# Altium PCB Left_PCB.PcbDoc
Units mm, origin at the board's own origin, x right, y up, seen from the top; angles counter-clockwise.
Board outline 205.61 x 248.6 mm, 2 copper layers (Top Layer, Bottom Layer); 96 components, 99 nets, 365 pads, 2 vias.
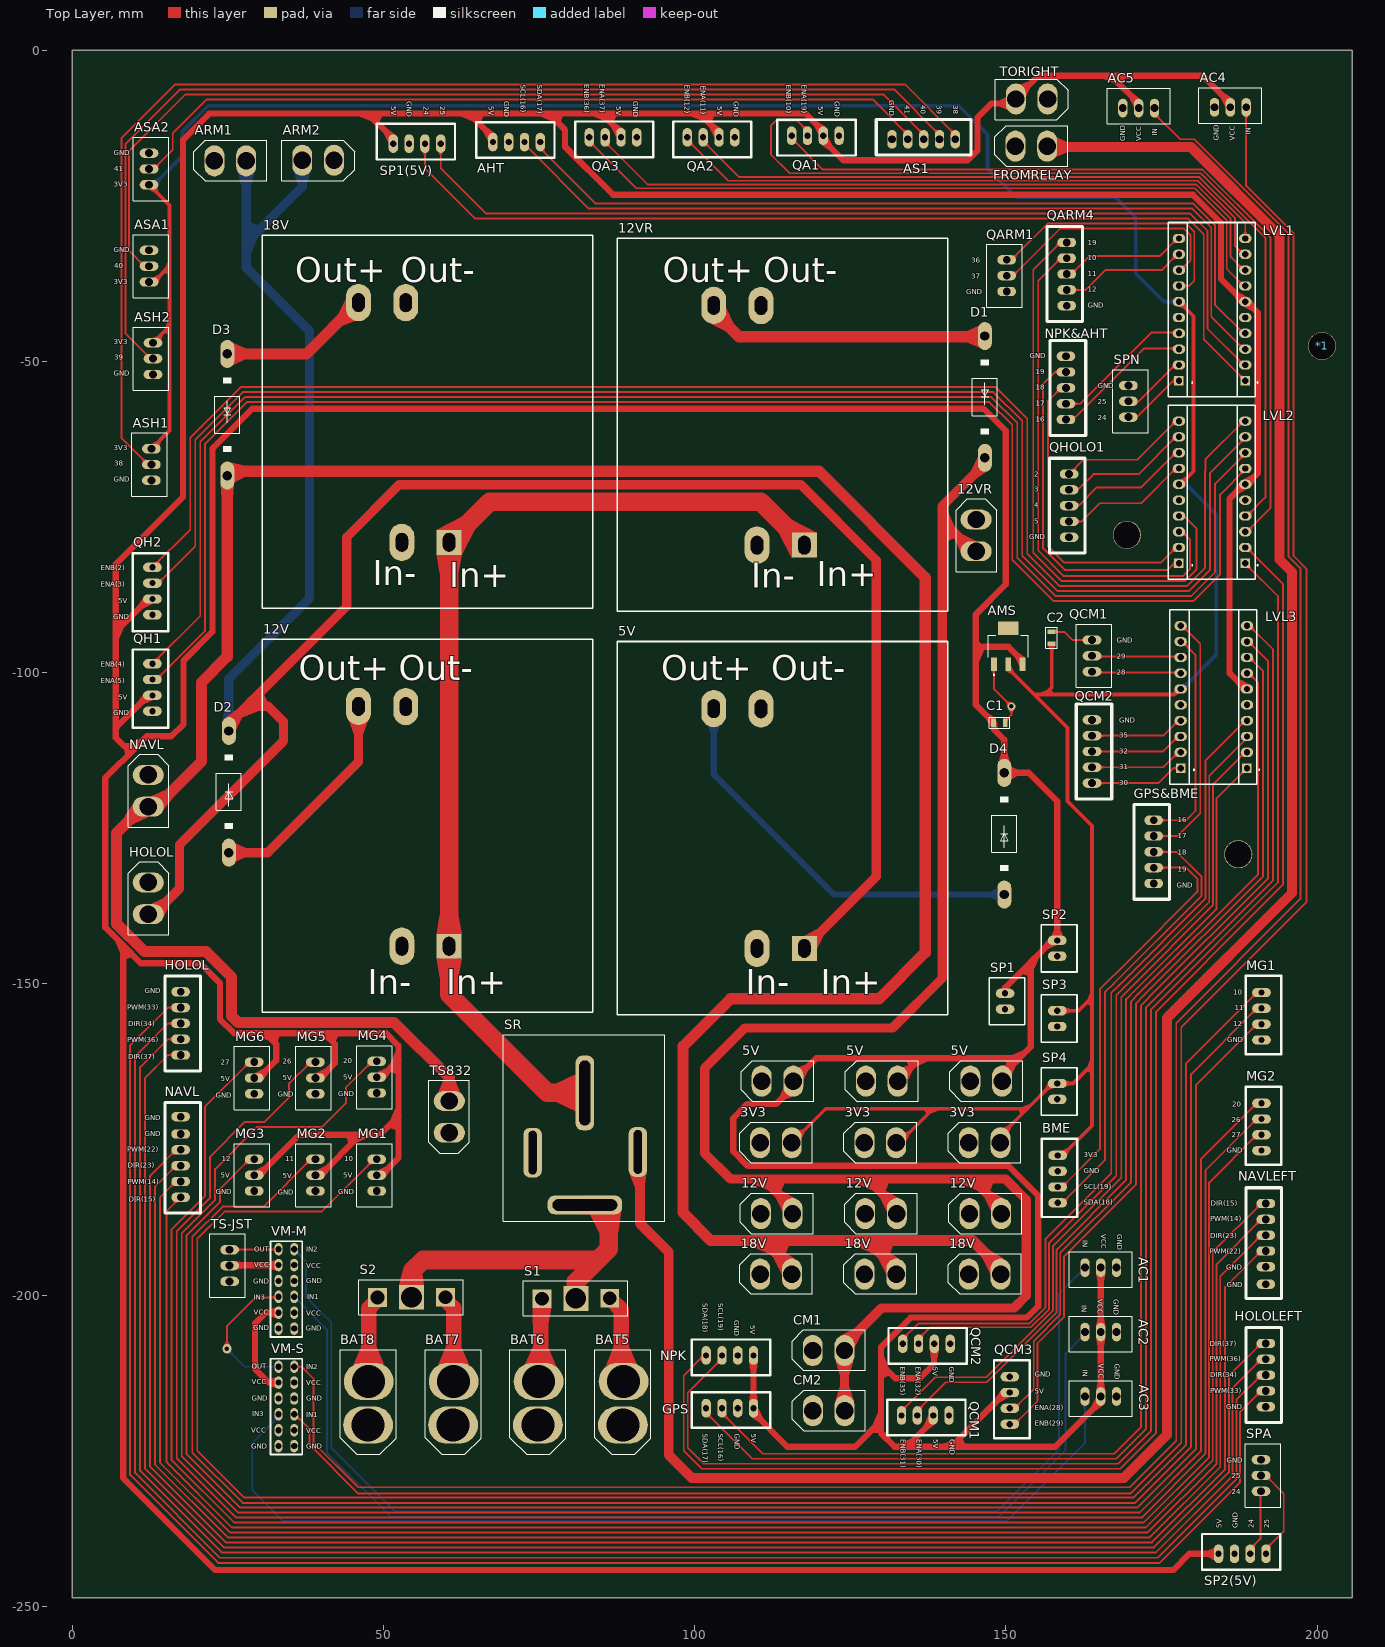
[diagram p0: Top Layer view]
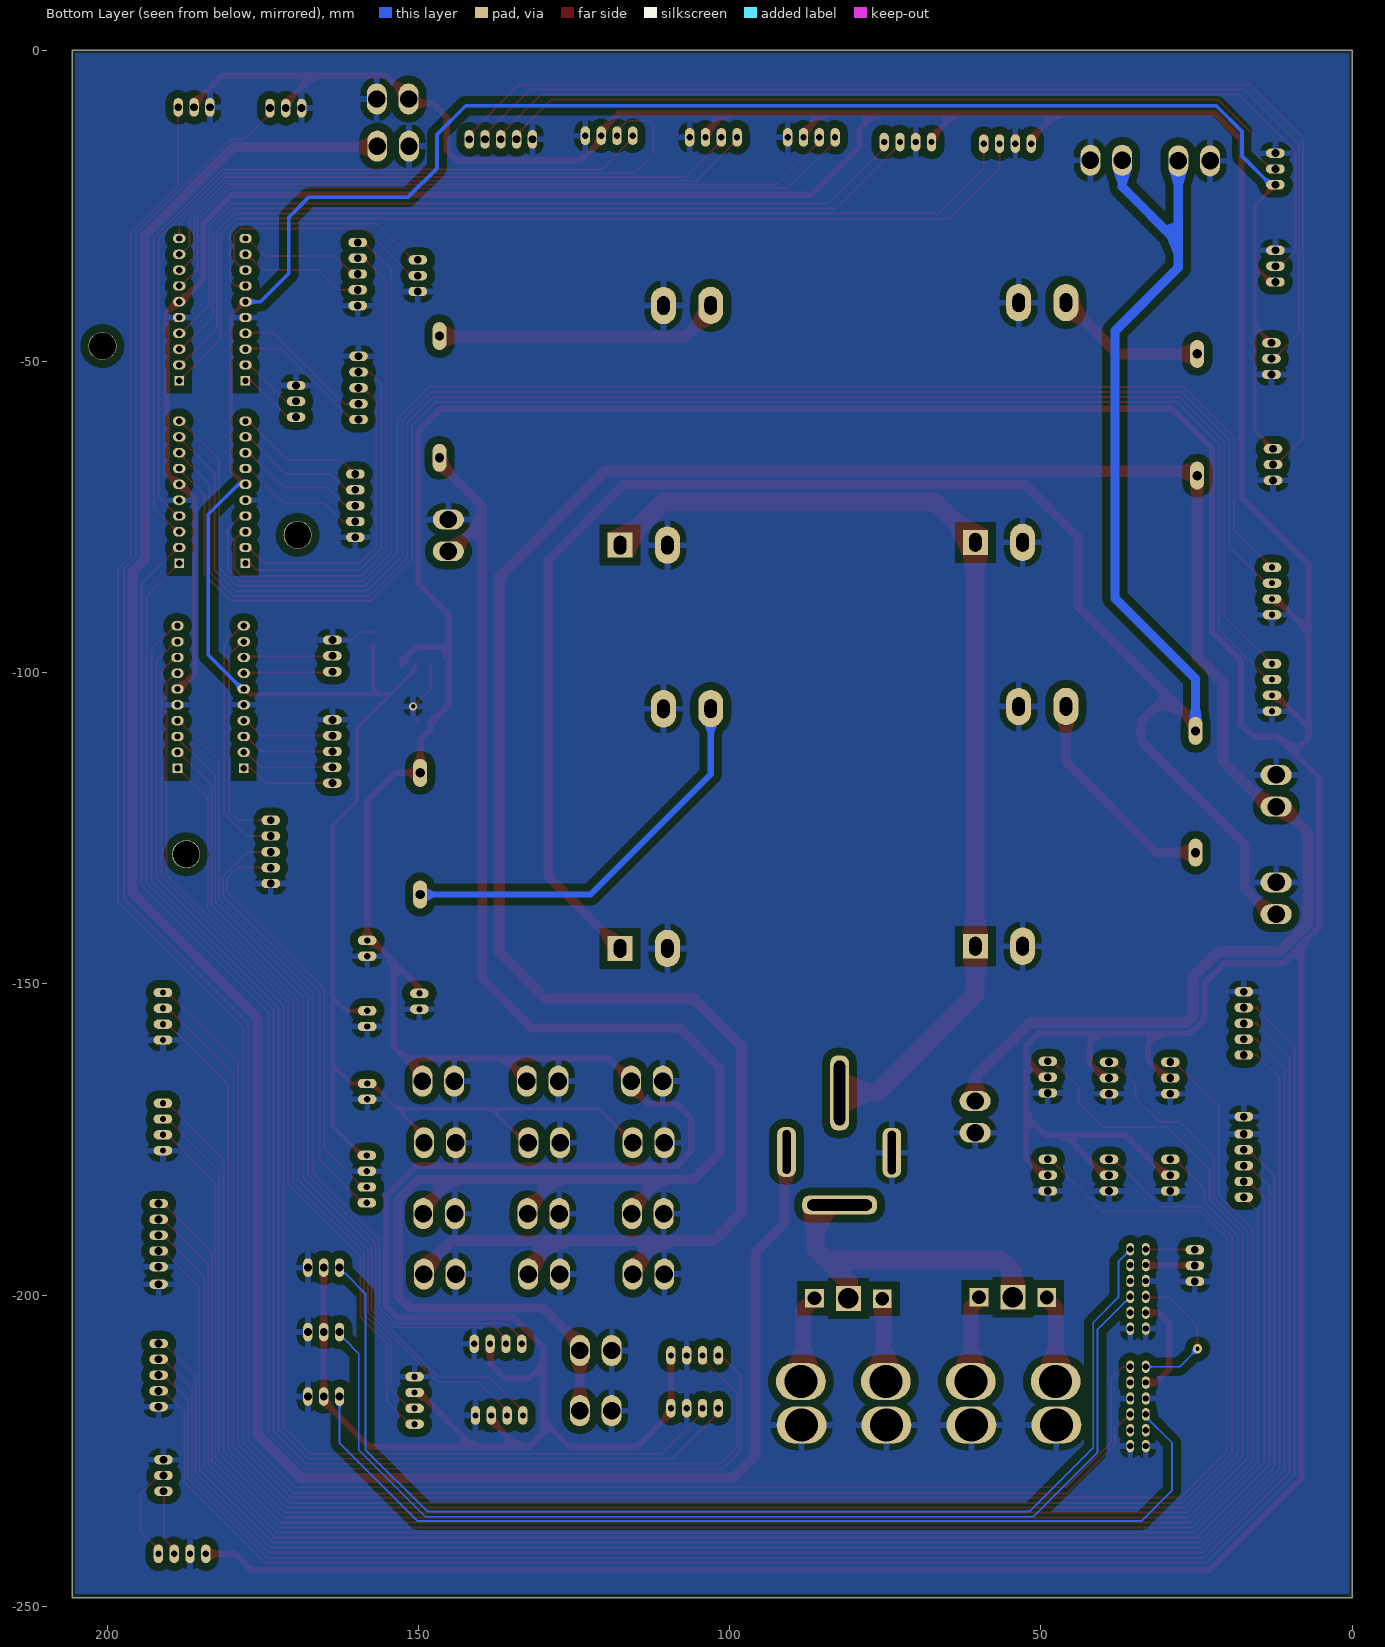
[diagram p1: Bottom Layer view, seen from below]

## Layer stack, top to bottom
Top Solder: solder mask 0.0102, Solder Resist, Dk 3.5
Top Layer: signal copper 0.0356
Dielectric 1: dielectric 0.32, FR-4, Dk 4.8
Bottom Layer: signal copper 0.0356
Bottom Solder: solder mask 0.0102, Solder Resist, Dk 3.5

## Board outline
0.006,-248.6 205.619,-248.6 205.619,0.001 0.006,0.001

## Design rules (kind name [scope] priority, off if disabled: settings)
Clearance Clearance_1 [All vs InNet('GND')] p1: gap=1.25 ignorepadtopadclearanceinfootprint=FALSE
Clearance Clearance_2 [InNet('GND') vs InComponent('LS*') or InComponent('C*') or InComponent('J1')or InComponent('J2') or InComponent('J3') or InComponent('J5') or InComponent('J6') or InComponent('U3') or InComponent('XT33') or InComponent('B2') or InComponent('R3') or InComponent('R5') OR InComponent('0')] p2: gap=1 ignorepadtopadclearanceinfootprint=FALSE
Clearance [All] p3: gap=0.3 ignorepadtopadclearanceinfootprint=FALSE
Height [All] p1: minheight=0 maxheight=50 prefheight=12.7
HoleSize [All] p1: absolutevalues=TRUE maxlimit=40 minlimit=0.025 maxpercent=80.000 minpercent=20.000
PlaneClearance [All] p1: clearance=0.3
PolygonConnect [InNet('GND')] p1: connectstyle=Relief reliefconductorwidth=1 reliefentries=4 polygonreliefangle="90 Angle" airgapwidth=1
RoutingVias [All] p1: holewidth=0.711 width=1.5 viastyle="Through Hole" minholewidth=0.711 minwidth=1.27 maxholewidth=0.711 maxwidth=2
SolderMaskExpansion [All] p1: expansion=0.102 istentingtop=FALSE
Width Width_1 [(InNet('18V-I/P') OR InNet('18V-O/P') AND OnLayer('top Layer'))] p1: maxlimit=1.8 minlimit=1.8 preferedwidth=1.8
Width [All] p2: maxlimit=6 minlimit=0.254 preferedwidth=0.3 minimp=50.000000 maximp=50.000000 favimp=50.000000
27 further rules are at their usual default settings.

## Classes and differential pairs
component class Sheet_Left: 3V3 5V 12V 12VR 18V *1 AC1 AC2 AC3 AC4 AC5 AHT AMS ARM1 ARM2 AS1 ASA1 ASA2 ASH1 ASH2 BAT5 BAT6 BAT7 BAT8 BME C1 C2 CM1 CM2 D1 D2 D3 D4 FROMRELAY GPS GPS&BME HOLOL HOLOLEFT LVL1 LVL2 LVL3 MG1 MG2 MG3 MG4 MG5 MG6 NAVL NAVLEFT NPK NPK&AHT QA QA1 QA2 QA3 QARM1 QARM4 QCM1 QCM2 QCM3 QH1 QH2 QHOLO1 S1 S2 SP1 SP1(5V) SP2 SP2(5V) SP3 SP4 SPA SPN SR TORIGHT TS832 TS-JST VM-M VM-S

## Components (designator, comment, footprint, x,y, rotation, side; value= is the part's Value field where it differs from the comment)
3V3 "XT30" XT30_FEMALE 146.224,-175.913 r180 top
3V3 "XT30" XT30_FEMALE 129.46,-175.913 r180 top
3V3 "XT30" XT30_FEMALE 112.696,-175.913 r180 top
5V "XT30" XT30_FEMALE 146.478,-166.007 r180 top
5V "BUCK" BUCKY 110.102,-182.885 r270 top
5V "XT30" XT30_FEMALE 129.714,-166.007 r180 top
5V "XT30" XT30_FEMALE 112.95,-166.007 r180 top
12V "XT30" XT30_FEMALE 112.816,-187.311 r180 top
12V "XT30" XT30_FEMALE 129.58,-187.311 r180 top
12V "BUCK" BUCKY 53.029,-182.529 r270 top
12V "XT30" XT30_FEMALE 146.344,-187.311 r180 top
12VR "XT30" XT30_FEMALE 144.8,-77.58 r90 top
12VR "BUCK" BUCKY 110.102,-118.091 r270 top
18V "BUCK" BUCKY 53.029,-117.632 r270 top
18V "XT30" XT30_FEMALE 146.244,-197.015 r180 top
18V "XT30" XT30_FEMALE 129.48,-197.015 r180 top
18V "XT30" XT30_FEMALE 112.716,-197.015 r180 top
*1 "HOLE" HOLE 199.777,-36.829 r0 top
AC1 "JST3P" JST3P 165.107,-195.833 r90 top
AC2 "JST3P" JST3P 165.107,-206.183 r90 top
AC3 "JST3P" JST3P 165.107,-216.534 r90 top
AC4 "JST3P" JST3P 186.188,-8.889 r270 top
AC5 "JST3P" JST3P 171.456,-9.016 r270 top
AHT "JST4P" JST4P 71.253,-14.731 r90 top
AMS "AMS1117" AMS1117 152.879,-101.436 r0 top
ARM1 "XT30" XT30_FEMALE 25.025,-18.152 r180 top
ARM2 "XT30" XT30_FEMALE 39.843,-17.252 r0 top
AS1 "JST5P" JST5P 135.896,-14.163 r180 top
ASA1 "JST3P" JST3P 12.579,-34.797 r180 top
ASA2 "JST3P" JST3P 12.579,-19.176 r180 top
ASH1 "JST3P" JST3P 12.452,-66.42 r0 top
ASH2 "JST3P" JST3P 12.706,-49.402 r0 top
BAT5 "XT60" XT60_FEMALE 86.763,-221.975 r180 top
BAT6 "XT60" XT60_FEMALE 73.115,-221.975 r180 top
BAT7 "XT60" XT60_FEMALE 59.468,-221.975 r180 top
BAT8 "XT60" XT60_FEMALE 45.82,-221.975 r180 top
BME "JST4P" JST4P 158.314,-181.228 r0 top
C1 "CERAMIC-4.7UF-50V-10%-X5R(1206)" CAP0805 149.104,-108.076 r0 top
C2 "CERAMIC-4.7UF-50V-10%-X5R(1206)" CAP0805 157.359,-94.233 r90 top
CM1 "XT30" XT30_FEMALE 121.164,-209.295 r180 top
CM2 "XT30" XT30_FEMALE 121.185,-218.966 r180 top
D1 "1N5400" DO201-15 146.62,-55.681 r270 top
D2 "1N5400" DO201-15 25.152,-119.125 r90 top
D3 "1N5400" DO201-15 24.898,-58.546 r270 top
D4 "1N5400" DO201-15 149.739,-125.856 r90 top
FROMRELAY "XT30" XT30_FEMALE 153.73,-15.78 r180 top
GPS "JST4P" JST4P 105.77,-218.158 r270 top
GPS&BME "JST5P" JST5P 173.615,-129.666 r270 top
HOLOL "JST5P" JST5P 17.532,-155.447 r90 top
HOLOL "XT30" XT30_FEMALE 11.8,-135.889 r90 top
HOLOLEFT "JST5P" JST5P 191.634,-213.735 r270 top
LVL1 "LEVEL_SHIFTER" LEVEL_SHIFTER 182.505,-43.814 r270 top
LVL2 "LEVEL_SHIFTER" LEVEL_SHIFTER 182.505,-73.151 r270 top
LVL3 "LEVEL_SHIFTER" LEVEL_SHIFTER 182.777,-106.044 r270 top
MG1 "JST3P" JST3P 48.647,-180.593 r0 top
MG1 "JST4P" JST4P 191.067,-155.061 r0 top
MG2 "JST3P" JST3P 38.804,-180.593 r0 top
MG2 "JST4P" JST4P 191.067,-172.841 r0 top
MG3 "JST3P" JST3P 28.962,-180.593 r0 top
MG4 "JST3P" JST3P 48.647,-164.845 r0 top
MG5 "JST3P" JST3P 38.804,-164.972 r0 top
MG6 "JST3P" JST3P 28.962,-164.972 r0 top
NAVL "JST6P" JST6P 17.532,-178.307 r90 top
NAVL "XT30" XT30_FEMALE 11.8,-118.617 r90 top
NAVLEFT "JST6P" JST6P 191.634,-191.256 r270 top
NPK "JST4P" JST4P 105.77,-209.676 r270 top
NPK&AHT "JST5P" JST5P 159.772,-53.339 r90 top
QA1 "JST4P" JST4P 119.513,-13.715 r270 top
QA2 "JST4P" JST4P 102.749,-13.969 r270 top
QA3 "JST4P" JST4P 87.001,-13.969 r270 top
QARM1 "JST5P" JST5P 159.645,-36.829 r270 top
QARM4 "JST3P" JST3P 149.866,-36.067 r0 top
QCM1 "JST3P" JST3P 164.09,-97.408 r180 top
QCM1 "JST4P" JST4P 137.166,-219.328 r270 top
QCM2 "JST5P" JST5P 163.963,-111.759 r90 top
QCM2 "JST4P" JST4P 137.357,-207.82 r270 top
QCM3 "JST4P" JST4P 150.628,-216.788 r0 top
QH1 "JST4P" JST4P 12.869,-102.488 r180 top
QH2 "JST4P" JST4P 12.869,-86.994 r180 top
QHOLO1 "JST5P" JST5P 160.026,-74.04 r270 top
S1 "Schottky" "SCHOTTKY DIODE" 80.771,-200.585 r90 top
S2 "Schottky" "SCHOTTKY DIODE" 54.344,-200.408 r90 top
SP1 "JST2P" JST2P 150.628,-152.145 r90 top
SP1(5V) "JST4P" JST4P 55.251,-14.985 r90 top
SP2 "JST2P" JST2P 159.01,-143.636 r90 top
SP2(5V) "JST4P" JST4P 187.859,-241.555 r90 top
SP3 "JST2P" JST2P 159.01,-154.939 r90 top
SP4 "JST2P" JST2P 159.01,-166.623 r90 top
SPA "JST3P" JST3P 191.241,-229.102 r180 top
SPN "JST3P" JST3P 169.932,-56.514 r180 top
SR "RELAY" RELAY 82.35,-173.75 r0 top
TORIGHT "XT30" XT30_FEMALE 154.5,-7.41 r0 top
TS832 "XT30" XT30_FEMALE 60.966,-171.703 r270 top
TS-JST "JST3P" JST3P 25.016,-195.123 r0 top
VM-M "VM1" 6X2HEADER 34.19,-199.72 r270 top (schematic designator VM1)
VM-S "VM2" 6X2HEADER 34.19,-218.6 r270 top (schematic designator VM2)

## Footprints (in the part's own frame and the unit in brackets; to place one, negate y for a bottom-side part, rotate by r counter-clockwise, add the part's x,y. Pads: shape width x height; smd on the part's side, far side on the other; paste and mask are expansions set on the pad)
6X2HEADER [mm]
  oval 2x1.25 hole 1: 1(-7.1,1.45) 2(-4.55,1.45) 3(-2,1.45) 4(0.55,1.45) 5(3.1,1.45) 6(5.65,1.45) 7(-7.1,-1.05) 8(-4.55,-1.05) 9(-2,-1.05) 10(0.55,-1.05) 11(3.1,-1.05) 12(5.65,-1.05)
  silkscreen extent -8.4,-2.35 7,2.75, body extent -8.37,-2.34 6.89,2.75, height 8.21
AMS1117 [mm]
  rect 0.95x2.15 smd: 1(-4.805,2.8) 2(-2.505,2.8) 3(-0.205,2.8)
  rect 3.25x2.15 smd: 4(-2.505,8.6)
  silkscreen extent -5.75,1 0.75,7.45, body extent -5.76,2.2 0.74,9.2, height 1.8
BUCKY [mm]
  rect 4x4 hole 3 slot 2 at 90 deg: 1(-38.59,7.506)
  oval 6x4 hole 3 slot 2 at 90 deg: 2(-38.59,-0.089) 3(-77.095,0.546) 4(-77.12,-7.049)
  silkscreen extent -87.91,-22.52 -27.97,30.57, body extent -87.75,-22.45 -27.75,30.55, height 26.51
CAP0805 [mm]
  rect 0.75x1.3 smd: 1(-1.094,0.044) 2(0.806,0.044)
  silkscreen extent -1.79,-0.87 1.51,0.94, body extent -0.94,-0.46 0.66,0.4, height 0.81
DO201-15 [mil]
  oval 177x88.5 hole 59: A(-385,0) C(385,0)
  silkscreen extent -235,-79 235,79, body extent -408,-104 408,104, height 209
HOLE [mm]
  round 4.5 hole 4.3 unplated: 1(1.016,-10.668)
JST2P [mm]
  oval 1.5x3 hole 1: 1(0.635,0.762) 2(-1.905,0.762)
  silkscreen extent -4.44,-2.41 3.17,3.3, body extent -4.41,-2.4 3.14,3.3, height 7.01
JST3P [mm]
  oval 3x1.5 hole 1.25: 1(0.254,2.413) 2(0.254,-0.127) 3(0.254,-2.667)
  silkscreen extent -2.92,-5.21 2.79,4.95, body extent -2.9,-5.15 2.8,4.93, height 7
JST4P [mm]
  oval 3x1.5 hole 1: 1(0,3.683) 2(0,1.143) 3(0,-1.397) 4(0,-3.937)
  silkscreen extent -2.54,-6.22 3.18,6.35, body extent -2.55,-6.46 3.15,6.16, height 7
JST5P [mm]
  oval 1.5x3 hole 1.25: 1(-5.969,0.127) 2(-3.429,0.127) 3(-0.889,0.127) 4(1.651,0.127) 5(4.191,0.127)
  silkscreen extent -8.51,-3.05 6.73,2.67, body extent -8.49,-3.02 6.67,2.68, height 7
JST6P [mm]
  oval 1.5x3 hole 1.25: 1(-5.969,0.127) 2(-3.429,0.127) 3(-0.889,0.127) 4(1.651,0.127) 5(4.191,0.127) 6(6.985,0.127)
  silkscreen extent -8.51,-3.05 9.27,2.67, body extent -8.49,-3.02 9.21,2.68, height 7
LEVEL_SHIFTER [mm]
  oval 1.5x2 hole 1.02: GND(-0.889,5.951) GND(-0.889,-4.699) HV(-3.429,5.951) HV1(-13.589,5.951) HV2(-11.049,5.951) HV3(-8.509,5.951) HV4(-5.969,5.951) HV5(1.651,5.951) HV6(4.191,5.951) HV7(6.731,5.951) LV(-3.429,-4.699) LV1(-13.589,-4.699) LV2(-11.049,-4.699) LV3(-8.509,-4.699) LV4(-5.969,-4.699) LV5(1.651,-4.699) LV6(4.191,-4.699) LV7(6.731,-4.699)
  rect 1.53x1.53 hole 1.02: HV8(9.271,5.951) LV8(9.271,-4.699)
  silkscreen extent -16.16,-6.45 11.84,8.03, body extent -14.73,-5.87 10.67,7.17, height 7.65
RELAY [mm]
  rrect75% 3x12 hole 1.8 slot 10.4 at 90 deg: 1(0,6.24)
  rrect75% 12x3 hole 1.8 slot 10.4 at 0 deg: 2(0,-11.76)
  rrect75% 3x8 hole 1.3 slot 7 at 90 deg: 3(8.52,-3.24) 4(-8.4,-3.36)
  silkscreen extent -13.08,-14.4 12.84,15.6, body extent -12.95,-14.39 12.95,15.51, height 40.91
"SCHOTTKY DIODE" [mm]
  rect 3x3 hole 2.2: 1(0.073,-5.6) 3(0.023,5.3)
  rect 4x4 hole 3.3: 2(0.073,-0.15)
  silkscreen extent -2.73,-8.5 2.87,8.3, body extent -2.46,-8.17 2.57,7.98, height 21.31
XT30_FEMALE [mm]
  oval 3.2x5 hole 2.8: 1(-2.9,-0.4) 2(2.2,-0.4)
  silkscreen extent -6.2,-3.7 5.5,2.8, body extent -5.79,-3.4 5.01,2.5, height 11.4
XT60_FEMALE [mm]
  oval 8x6 hole 5.3: 1(-1.8,-8.1) 2(-1.7,-1.1)
  silkscreen extent -6.2,-13.2 2.8,3.6, body extent -6.3,-13.1 3,3.4, height 17

## Part data
C1 C2: "4.7 ÂµF Â±10% 50V Ceramic Capacitor X5R 1206 (3216 Metric)", Package="SMD-2 Yageo", Check_prices=https://www.snapeda.com/parts/CC1206KKX5R9BB475/Yageo/view-part/?ref=eda, MF=Yageo, MP=CC1206KKX5R9BB475, SnapEDA_Link=https://www.snapeda.com/parts/CC1206KKX5R9BB475/Yageo/view-part/?ref=snap
D1 D2 D3 D4: "Diode Standard 50 V 3A Through Hole DO-201AD", Package="DO-201 Diodes Inc.", Check_prices=https://www.snapeda.com/parts/1N5400-T/Diodes+Inc./view-part/?ref=eda, MF="Diodes Inc.", MP=1N5400-T, SnapEDA_Link=https://www.snapeda.com/parts/1N5400-T/Diodes+Inc./view-part/?ref=snap
SR: "Power Relay SPDT 30A 24V", Manufacturer="TE Connectivity", Manufacturer Part Number=V23134A4064X551-EV-CBOX, Supplier Part Number 1=41-V23134A4064X551-EV-CBOX-ND, Pricing 1="1=21.98, 10=19.576, 25=18.6936, 50=18.0516, 110=17.34791, 330=16.41191, 550=15.99385 (USD)", RoHS=No, Stock 1=33, Supplier 1=Digikey
VM-M VM-S: library part 6X2Headers

## Free pads (board coordinates)
  round 4.5 hole 4.3: 1(169.424,-77.85) 1(187.331,-129.158)

## Via types
v1: diameter 1.5, hole 0.711, Top Layer to Bottom Layer, 1 vias
v2: diameter 1.27, hole 0.711, Top Layer to Bottom Layer, 1 vias

## Nets (pads, with @x,y where several pads share a name; then routed paths per layer and width w, separated by ;. In a path a pad name is that pad's centre, name@x,y a point inside that pad or via, vN(x,y) a via of type N, cw(c..) or ccw(c..) an arc to the next point about the centre after c; other vN are vias at no path point)
1VCCb: VM-M.2
2VCCb: VM-S.2
2VCCc: VM-S.11
3V3: 3V3.1 AMS.2 ASA1.1 ASA2.1 ASH1.1 ASH2.1 BME.1 C2.1 LVL1.LV LVL2.LV LVL3.LV SP3.1 SP4.1 | length 513.4
  Top Layer w0.6: ASA1.1@12.325,-37.337 ASA1.1 13.075,-37.21 15.627,-34.658 ; ASA2.1 15.627,-24.891 15.627,-34.658 ; ASH1.1 15.627,-61.086 15.627,-44.322 ; ASH2.1 15.627,-44.322 ; 3V3.1@115.596,-175.513 121.057,-170.052 138.309,-170.052 ; 3V3.1@132.36,-175.513 132.848,-175.513 138.309,-170.052 ; 3V3.1@149.124,-175.513 149.124,-174.362 153.434,-170.052 ; AMS.2 150.549,-98.811 150.549,-99.488 154.311,-103.25 154.565,-103.504 ; C2.1 157.37,-95.382 157.37,-102.35 156.216,-103.504 ; SP3.1 161.677,-154.304 163.836,-152.145 ; BME.1 159.063,-177.545 163.836,-172.772 163.836,-162.94 ; LVL2.LV 178.056,-69.722 180.15,-67.628 180.15,-42.723 177.812,-40.385 LVL1.LV ; LVL3.LV 177.916,-102.615 177.027,-103.504 156.216,-103.504 ; 15.627,-44.322 15.627,-34.658 ; 138.309,-170.052 153.434,-170.052 ; 153.434,-170.052 157.498,-165.988 SP4.1 160.788,-165.988 163.836,-162.94 ; 154.565,-103.504 156.216,-103.504 ; 154.565,-103.504 159.899,-108.838 159.899,-120.649 163.836,-124.586 163.836,-152.145 ; 163.836,-162.94 163.836,-152.145
  Bottom Layer w0.6: ASA2.1 13.075,-21.589 17.692,-16.971 17.692,-13.038 21.841,-8.889 142.43,-8.889 147.05,-13.509 147.05,-18.96 151.67,-23.58 167.578,-23.58 170.85,-26.852 170.85,-35.853 175.382,-40.385 LVL1.LV ; LVL2.LV@177.298,-69.722 LVL2.LV 178.949,-69.722 183.775,-74.548 183.775,-97.168 178.328,-102.615 LVL3.LV
5V-I/P: 5V.4 D4.A | length 65.2
  Bottom Layer w1: 5V.4 103.054,-116.274 122.415,-135.635 D4.A
5V-O/P: 5V.1@115.85,-165.607 5V.1@132.614,-165.607 5V.1@149.378,-165.607 AC1.2 AC2.2 AC3.2 AC4.2 AC5.2 AHT.1 AMS.3 C1.1 D4.C GPS.1 LVL1.HV LVL2.HV LVL3.HV MG1.2@48.901,-180.72 MG2.2@39.058,-180.72 MG3.2 MG4.2 MG5.2 MG6.2 NPK.1 QA1.2 QA2.2 QA3.2 QCM1.2@138.309,-219.328 QCM2.2@138.5,-207.82 QCM3.2 QH1.2 QH2.2 SP1(5V).1 SP1.1 SP2(5V).1 SP2.1 TORIGHT.1 | length 1598.8
  Top Layer w1: 7.24,-108.63 12.239,-103.631 QH1.2 ; QH2.2 12.253,-88.137 6.991,-93.399 ; MG3.2 29.966,-180.72 36.443,-174.243 46.285,-174.243 ; MG6.2 29.966,-165.099 32.777,-162.287 32.777,-159.647 31.06,-157.93 ; MG2.2@39.058,-180.72 39.808,-180.72 46.285,-174.243 ; MG5.2 39.808,-165.099 42.15,-162.757 42.15,-159.64 40.44,-157.93 ; MG1.2@48.901,-180.72 49.651,-180.72 52.4,-177.971 52.4,-171.255 ; MG4.2 49.638,-164.972 52.4,-162.21 ; 51.568,-14.985 51.568,-14.235 47.492,-10.159 ; AHT.1 67.57,-13.981 63.748,-10.159 ; QA3.2 88.144,-13.219 85.084,-10.159 ; QA2.2 103.892,-13.219 100.832,-10.159 ; NPK.1 GPS.1 109.453,-218.908 114.885,-224.34 125.757,-224.34 129.927,-220.17 ; 5V.1@132.614,-165.607 136.297,-161.924 ; QCM1.2@138.309,-219.328 138.309,-220.078 134.047,-224.34 ; QCM2.2@138.436,-206.882 138.436,-211.073 136.15,-213.359 132.213,-213.359 129.927,-211.073 ; 5V.1@149.378,-165.607 149.378,-164.707 152.161,-161.924 ; SP1.1 149.866,-150.621 153.993,-146.493 ; QCM3.2 149.878,-215.645 141.183,-224.34 ; AMS.3 152.649,-98.611 152.649,-98.061 150.399,-95.811 146.465,-95.811 145.158,-97.118 ; AC1.2 AC2.2 AC3.2 165.234,-217.03 157.924,-224.34 141.183,-224.34 ; AC5.2 171.329,-8.52 166.872,-4.063 ; 184.176,-241.555 179.485,-241.555 176.87,-244.17 22.943,-244.17 8.17,-229.397 8.17,-143.81 ; AC4.2 186.061,-8.491 181.633,-4.063 166.872,-4.063 ; LVL3.HV 188.478,-102.615 185.93,-100.067 185.93,-71.998 188.206,-69.722 LVL2.HV 188.706,-69.722 190.47,-67.958 190.47,-42.149 188.706,-40.385 LVL1.HV 188.206,-40.385 184.54,-36.719 184.54,-27.69 180.05,-23.2 86.89,-23.2 79.16,-15.47 79.16,-12.789 76.53,-10.159 ; 6.991,-93.399 6.991,-82.549 17.786,-71.754 17.786,-14.35 21.977,-10.159 47.492,-10.159 ; 6.991,-93.399 6.991,-108.381 6.98,-108.392 6.98,-110.44 8.325,-111.785 10.395,-111.785 ; 8.17,-143.81 5.28,-140.92 5.28,-116.9 10.395,-111.785 ; 8.17,-143.81 11.02,-146.66 20.53,-146.66 23.72,-149.85 23.72,-155.65 26,-157.93 31.06,-157.93 ; 10.395,-111.785 11.97,-110.21 15.91,-110.21 17.87,-108.25 17.87,-98.033 22.5,-93.403 22.5,-63.98 28.89,-57.59 146.45,-57.59 149.99,-61.13 149.99,-85.81 145.158,-90.642 145.158,-97.118 ; 31.06,-157.93 40.44,-157.93 ; 40.44,-157.93 50.41,-157.93 52.4,-159.92 52.4,-162.21 ; 46.285,-174.243 49.412,-174.243 52.4,-171.255 ; 47.492,-10.159 63.748,-10.159 ; 52.4,-171.255 52.4,-162.21 ; 63.748,-10.159 76.53,-10.159 ; 76.53,-10.159 85.084,-10.159 ; 85.084,-10.159 100.832,-10.159 ; 100.832,-10.159 117.85,-10.159 120.656,-12.965 QA1.2 120.656,-14.465 123.851,-17.66 143.87,-17.66 145.455,-16.075 145.455,-10.775 147.703,-8.527 151.603,-8.527 151.603,-7.627 155.167,-4.063 166.872,-4.063 ; 129.927,-220.17 129.927,-211.073 ; 129.927,-220.17 129.927,-222.147 132.12,-224.34 134.047,-224.34 ; 129.927,-211.073 129.927,-208.371 134.688,-203.61 153.383,-203.61 155.19,-201.803 155.19,-184.012 150.374,-179.196 108.464,-179.196 106.178,-176.91 106.178,-171.576 108.464,-169.29 113.067,-169.29 115.85,-166.507 115.85,-165.607 119.533,-161.924 136.297,-161.924 ; 134.047,-224.34 141.183,-224.34 ; 136.297,-161.924 152.161,-161.924 ; 145.158,-97.118 145.158,-105.155 148.01,-108.007 C1.1 148.135,-108.157 148.135,-109.139 149.739,-110.743 D4.C 153.676,-116.077 158.248,-120.649 SP2.1 157.486,-143.001 153.993,-146.493 ; 152.161,-161.924 153.993,-160.092 153.993,-146.493
"12V-I/P 1": 12VR.4 D1.A | length 46.3
  Top Layer w1.8: 12VR.4 103.054,-41.971 107.093,-46.01 146.413,-46.01 146.521,-45.902 D1.A
"12V-I/P 2": 12V.4 D2.A | length 35.8
  Top Layer w1.5: D2.A 31.375,-128.904 45.98,-114.299 12V.4
"12V-O/P 1": 12V.1@115.716,-186.911 12V.1@132.48,-186.911 12V.1@149.244,-186.911 12VR.1@145.2,-80.48 CM1.1 CM2.1 D1.C | length 287.5
  Top Layer w1.5: 12V.1@115.716,-186.911 115.716,-186.011 111.048,-181.343 ; CM2.1 124.074,-218.555 124.074,-208.906 CM1.1 124.064,-207.995 129.999,-202.06 151.31,-202.06 153.28,-200.09 153.28,-184.68 149.943,-181.343 144.576,-181.343 ; 12V.1@132.48,-186.911 132.48,-186.011 127.812,-181.343 ; 12VR.1@145.2,-80.48 144.73,-80.48 139.78,-75.53 ; D1.C 146.62,-66.382 139.78,-73.222 139.78,-75.53 ; 12V.1@149.244,-186.911 149.244,-186.011 144.576,-181.343 ; 111.048,-181.343 105.743,-181.343 101.59,-177.19 101.59,-163.53 108.05,-157.07 131.79,-157.07 139.78,-149.08 139.78,-75.53 ; 111.048,-181.343 127.812,-181.343 ; 127.812,-181.343 144.576,-181.343
"12V-O/P 2": 5V.1@117.608,-144.295 ARM1.1 ARM2.1 D2.C HOLOL.1@12.2,-138.789 | length 368.1
  Top Layer w1.5: HOLOL.1@11.3,-138.789 12.2,-138.789 13.1,-138.789 17.23,-134.659 17.23,-127.64 33.92,-110.95 33.92,-107.88 31.44,-105.4 27.974,-105.4 ; D2.C 25.152,-108.222 27.974,-105.4 ; ARM1.1@27.925,-19.112 ARM1.1 ; ARM2.1@36.618,-17.977 ARM2.1 ; 5V.1@117.608,-144.295 129.165,-132.738 129.165,-81.914 117.017,-69.766 52.54,-69.766 44.075,-78.231 44.075,-89.299 27.974,-105.4